# Allegro board 6089-103-RevB_76.brd (continued)
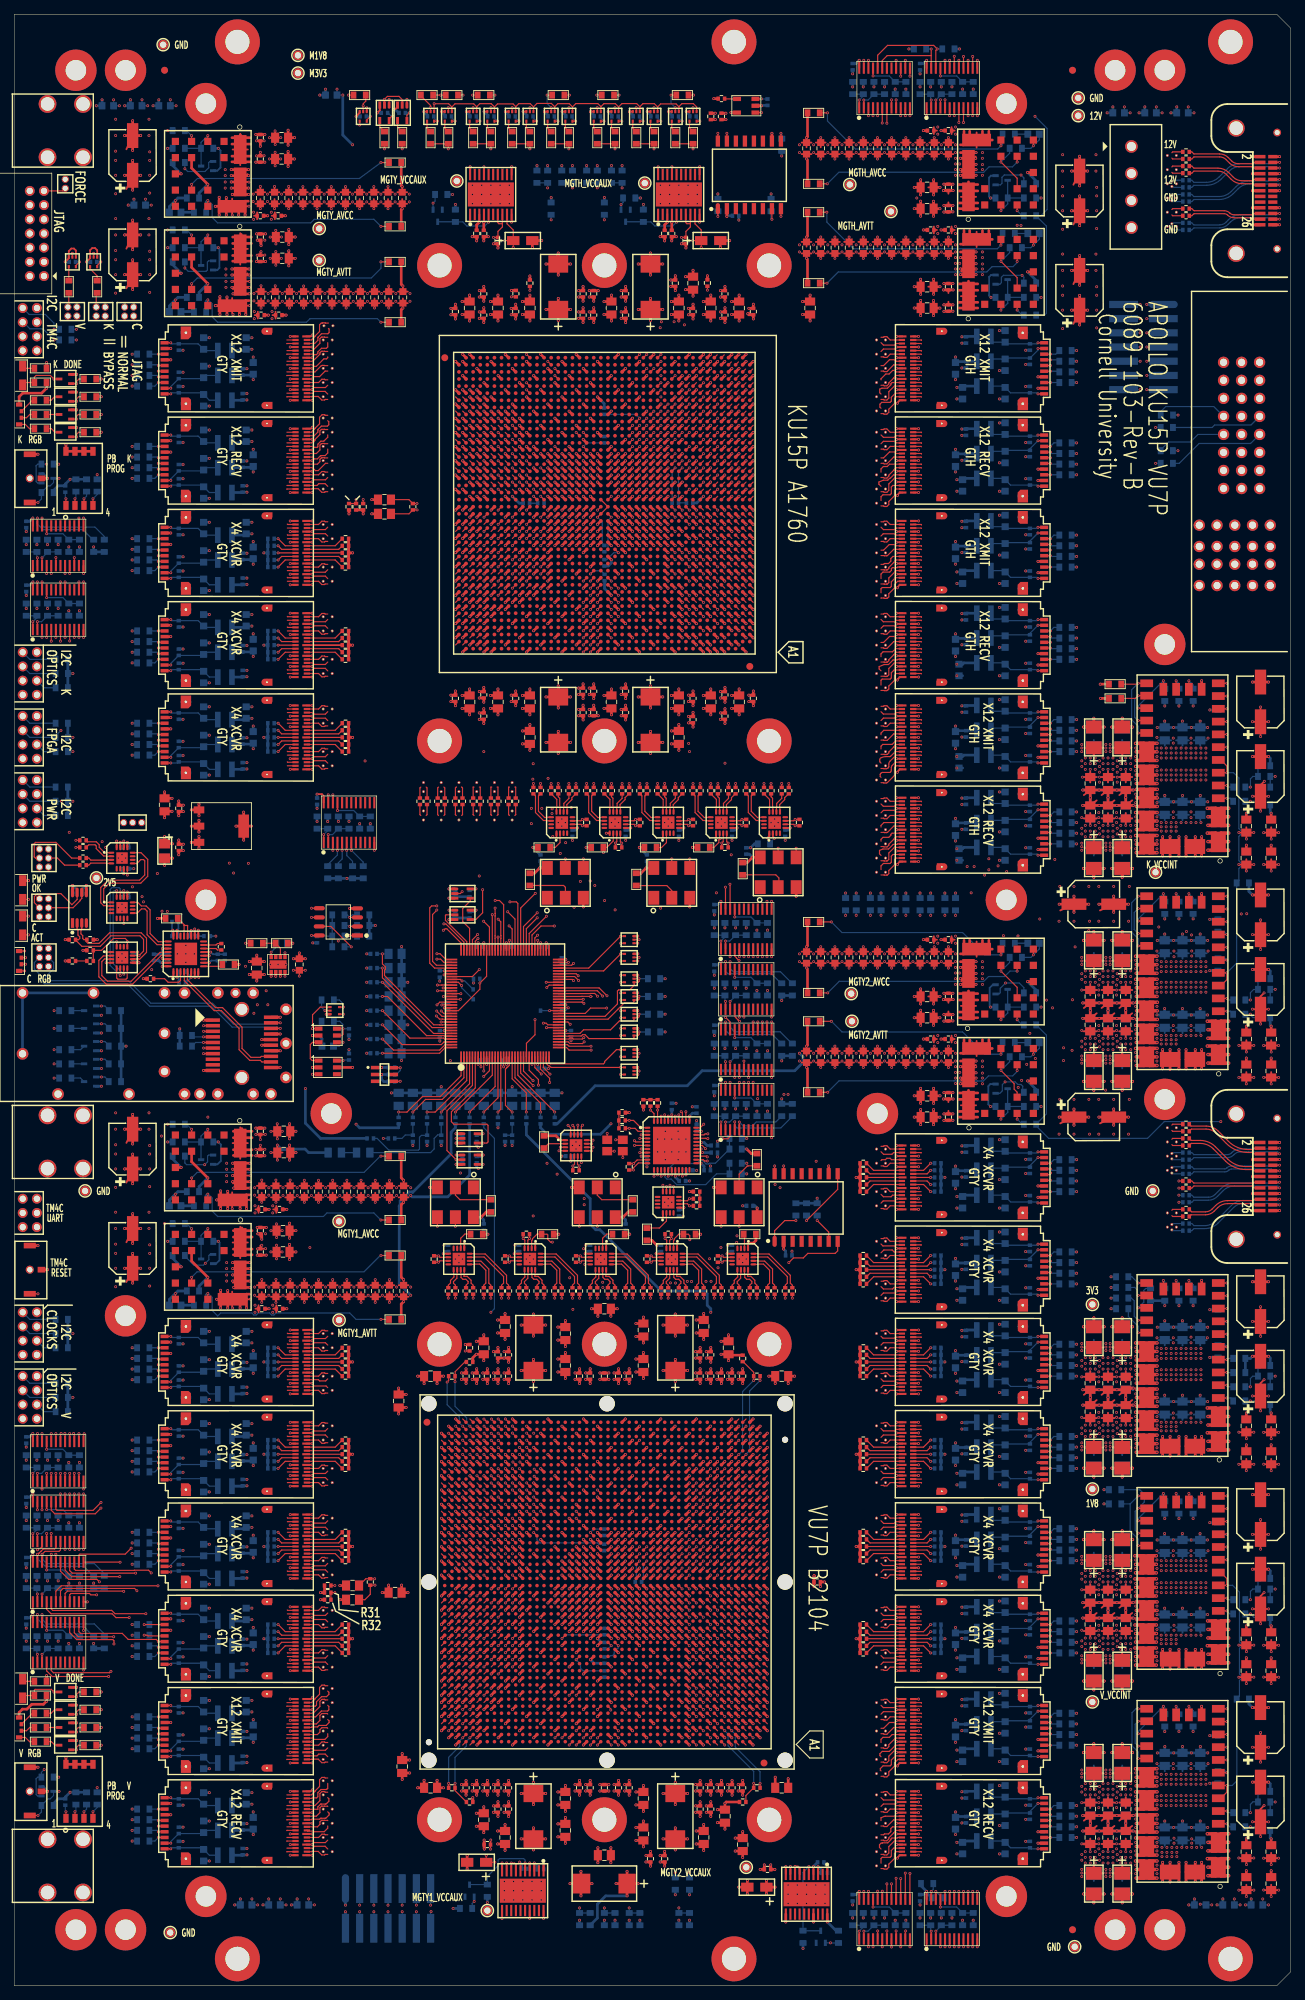
[diagram p0: board, top side]
## Placement (name value [footprint] x y rotation side) (continued)
R13  1K  [RESC_EIA0402]  8.2 144.4 180 top
R14  4.7K  [RESC_EIA0603]  10.7 226.4 180 top
R15  4.7K  [RESC_EIA0603]  10.7 223.9 180 top
R16  4.7K  [RESC_EIA0603]  10.7 221.4 180 top
R17  4.7K  [RESC_EIA0603]  10.7 218.9 180 top
R18  49.9  [RESC_EIA0402]  10.7 147.4 180 top
R19  1K  [RESC_EIA0402]  10.7 145.9 180 top
R20  1K  [RESC_EIA0402]  10.7 144.4 180 top
R21  4.7K  [RESC_EIA0603]  10.7 41.4 180 top
R22  4.7K  [RESC_EIA0603]  10.7 38.9 180 top
R23  4.7K  [RESC_EIA0603]  10.7 36.4 180 top
R24  4.7K  [RESC_EIA0603]  10.7 33.9 180 top
R25  33  [RESC_EIA0603]  11.7 239.4 270 top
R26  10K  [RESC_EIA0603]  22.2 150.4 180 top
R27  10  [RESC_EIA0603]  30.2 143.9 0 top
R28  110K  [RESC_EIA0603]  34.2 146.9 0 top
R29  34.8K  [RESC_EIA0603]  37.7 146.9 0 top
R30  1K  [RESC_EIA0402]  44.2 56.4 0 top
R31  1K  [RESC_EIA0402]  44.2 55.4 0 top
R32  DNi  [RESC_EIA0402]  44.2 54.4 180 top
R33  49p9  [RESC_EIA0402]  46.7 203.9 180 top
R34  49p9  [RESC_EIA0402]  46.7 202.9 180 top
R35  49p9  [RESC_EIA0402]  46.7 201.9 180 top
R36  49p9  [RESC_EIA0402]  46.7 200.9 180 top
R37  49p9  [RESC_EIA0402]  46.7 199.9 180 top
R38  49p9  [RESC_EIA0402]  46.7 190.9 180 top
R39  49p9  [RESC_EIA0402]  46.7 189.9 180 top
R40  49p9  [RESC_EIA0402]  46.7 188.9 180 top
R41  49p9  [RESC_EIA0402]  46.7 187.9 180 top
R42  49p9  [RESC_EIA0402]  46.7 186.9 180 top
R43  49p9  [RESC_EIA0402]  46.7 177.9 180 top
R44  49p9  [RESC_EIA0402]  46.7 176.9 180 top
R45  49p9  [RESC_EIA0402]  46.7 175.9 180 top
R46  49p9  [RESC_EIA0402]  46.7 174.9 180 top
R47  49p9  [RESC_EIA0402]  46.7 173.9 180 top
R48  49p9  [RESC_EIA0402]  46.7 89.9 180 top
R49  49p9  [RESC_EIA0402]  46.7 88.9 180 top
R50  49p9  [RESC_EIA0402]  46.7 87.9 180 top
R51  49p9  [RESC_EIA0402]  46.7 86.9 180 top
R52  49p9  [RESC_EIA0402]  46.7 85.9 180 top
R53  49p9  [RESC_EIA0402]  46.7 76.9 180 top
R54  49p9  [RESC_EIA0402]  46.7 75.9 180 top
R55  49p9  [RESC_EIA0402]  46.7 74.9 180 top
R56  49p9  [RESC_EIA0402]  46.7 73.9 180 top
R57  49p9  [RESC_EIA0402]  46.7 72.9 180 top
R58  49p9  [RESC_EIA0402]  46.7 63.9 180 top
R59  49p9  [RESC_EIA0402]  46.7 62.9 180 top
R60  49p9  [RESC_EIA0402]  46.7 61.9 180 top
R61  49p9  [RESC_EIA0402]  46.7 60.9 180 top
R62  49p9  [RESC_EIA0402]  46.7 59.9 180 top
R63  49p9  [RESC_EIA0402]  46.7 50.9 180 top
R64  49p9  [RESC_EIA0402]  46.7 49.9 180 top
R65  49p9  [RESC_EIA0402]  46.7 48.9 180 top
R66  49p9  [RESC_EIA0402]  46.7 47.9 180 top
R67  49p9  [RESC_EIA0402]  46.7 46.9 180 top
R68  DNi  [RESC_EIA0402]  47.2 208.4 270 top
R69  1K  [RESC_EIA0402]  48.2 208.4 90 top
R70  10K  [RESC_EIA0603]  48.7 266.4 0 top
R71  1K  [RESC_EIA0402]  49.2 208.4 90 top
R72  33  [RESC_EIA0603]  52.2 260.4 270 top
R73  0  [RESC_EIA0603]  53.7 256.9 0 top
R74  0  [RESC_EIA0603]  53.7 247.9 0 top
R75  0  [RESC_EIA0603]  53.7 242.9 0 top
R76  0  [RESC_EIA0603]  53.7 234.4 0 top
R77  0  [RESC_EIA0603]  53.7 116.9 0 top
R78  0  [RESC_EIA0603]  53.7 107.9 0 top
R79  0  [RESC_EIA0603]  53.7 102.9 0 top
R80  0  [RESC_EIA0603]  53.7 93.9 0 top
R81  33  [RESC_EIA0603]  54.7 260.4 270 top
R82  10K  [RESC_EIA0603]  58.2 266.4 180 top
R83  33  [RESC_EIA0603]  58.7 260.4 270 top
R84  100  [RESC_EIA0402]  59.2 102.4 90 top
R85  33  [RESC_EIA0603]  61.2 260.4 270 top
R86  10K  [RESC_EIA0603]  61.7 266.4 0 top
R87  100  [RESC_EIA0402]  61.7 85.9 180 top
R88  100  [RESC_EIA0402]  61.7 27.9 180 top
R89  240  [RESC_EIA0402]  64.2 89.9 270 top
R90  0  [RESC_EIA0402]  64.2 87.9 0 top
R91  0  [RESC_EIA0402]  64.2 25.9 0 top
R92  33  [RESC_EIA0603]  64.7 260.4 270 top
R93  4.7K  [RESC_EIA0603]  65.2 105.9 180 top
R94  10K  [RESC_EIA0603]  66.2 266.4 0 top
R95  33  [RESC_EIA0603]  67.2 260.4 270 top
R96  4.7K  [RESC_EIA0603]  67.2 109.9 270 top
R97  100  [RESC_EIA0402]  69.2 102.4 270 top
R98  33  [RESC_EIA0603]  70.2 260.4 270 top
R99  240  [RESC_EIA0402]  70.73 238.43 270 top
R100  100  [RESC_EIA0402]  72.2 105.9 180 top
R101  33  [RESC_EIA0603]  72.7 260.4 270 top
R102  1K  [RESC_EIA0402]  72.7 239.9 270 top
R103  4.7K  [RESC_EIA0603]  72.7 155.9 90 top
R104  4.7K  [RESC_EIA0603]  74.7 160.4 0 top
R105  4.7K  [RESC_EIA0603]  74.7 118.9 90 top
R106  4.7K  [RESC_EIA0603]  75.2 105.9 0 top
R107  33  [RESC_EIA0603]  75.7 260.4 270 top
R108  10K  [RESC_EIA0603]  76.7 266.4 180 top
R109  33  [RESC_EIA0603]  78.2 260.4 270 top
R110  100  [RESC_EIA0402]  79.2 114.9 180 top
R111  100  [RESC_EIA0402]  79.2 102.4 90 top
R112  100  [RESC_EIA0402]  80.7 163.9 270 top
R113  33  [RESC_EIA0603]  82.2 260.4 270 top
R114  4.7K  [RESC_EIA0603]  82.2 160.4 180 top
R115  10K  [RESC_EIA0603]  83.7 266.4 0 top
R116  33  [RESC_EIA0603]  84.7 260.4 270 top
R117  100  [RESC_EIA0402]  85.2 160.4 0 top
R118  4.7K  [RESC_EIA0603]  85.2 105.9 180 top
R119  49.9  [RESC_EIA0402]  85.69 121.93 180.4 top
R120  49.9  [RESC_EIA0402]  85.7 120.82 0 top
R121  100  [RESC_EIA0402]  86.7 115.4 90 top
R122  4.7K  [RESC_EIA0603]  87.2 109.9 270 top
R123  33  [RESC_EIA0603]  87.7 260.4 270 top
R124  4.7K  [RESC_EIA0603]  87.7 155.9 90 top
R125  100  [RESC_EIA0402]  88.2 163.9 90 top
R126  4.7K  [RESC_EIA0603]  89.2 105.9 270 top
R127  100  [RESC_EIA0402]  89.2 102.4 270 top
R128  4.7K  [RESC_EIA0603]  89.7 160.4 0 top
R129  49.9  [RESC_EIA0402]  89.7 124.4 270 top
R130  33  [RESC_EIA0603]  90.2 260.4 270 top
R131  49.9  [RESC_EIA0402]  90.7 124.4 90 top
R132  100  [RESC_EIA0402]  92.2 105.9 180 top
R133  33  [RESC_EIA0603]  93.2 260.4 270 top
R134  10K  [RESC_EIA0603]  94.2 266.4 180 top
R135  4.7K  [RESC_EIA0603]  95.2 105.9 0 top
R136  33  [RESC_EIA0603]  95.7 260.4 270 top
R137  100  [RESC_EIA0402]  95.7 163.9 270 top
R138  49.9  [RESC_EIA0402]  96.2 110.9 180 top
R139  49.9  [RESC_EIA0402]  96.2 109.9 0 top
R140  4.7K  [RESC_EIA0603]  97.2 160.4 180 top
R141  240  [RESC_EIA0402]  97.73 239.93 270 top
R142  100  [RESC_EIA0402]  99.2 102.4 90 top
R143  100  [RESC_EIA0402]  100.2 160.4 0 top
R144  4.7K  [RESC_EIA0603]  102.7 157.4 90 top
R145  0  [RESC_EIA0402]  102.7 88.4 90 top
R146  0  [RESC_EIA0402]  102.7 25.9 180 top
R147  100  [RESC_EIA0402]  103.2 163.9 90 top
R148  4.7K  [RESC_EIA0603]  103.7 105.9 180 top
R149  4.7K  [RESC_EIA0603]  104.7 116.4 90 top
R150  100  [RESC_EIA0402]  104.7 85.9 0 top
R151  100  [RESC_EIA0402]  104.7 27.9 0 top
R152  100  [RESC_EIA0402]  110.7 163.9 270 top
R153  0  [RESC_EIA0603]  112.7 263.9 180 top
R154  0  [RESC_EIA0603]  112.7 253.9 180 top
R155  0  [RESC_EIA0603]  112.7 249.9 180 top
R156  0  [RESC_EIA0603]  112.7 239.9 180 top
R157  0  [RESC_EIA0603]  112.7 149.9 180 top
R158  0  [RESC_EIA0603]  112.7 139.9 180 top
R159  0  [RESC_EIA0603]  112.7 135.9 180 top
R160  0  [RESC_EIA0603]  112.7 125.9 180 top
R161  49p9  [RESC_EIA0402]  119.7 115.9 0 top
R162  49p9  [RESC_EIA0402]  119.7 114.9 0 top
R163  49p9  [RESC_EIA0402]  119.7 113.9 0 top
R164  49p9  [RESC_EIA0402]  119.7 112.9 0 top
R165  49p9  [RESC_EIA0402]  119.7 111.9 0 top
R166  49p9  [RESC_EIA0402]  119.7 102.9 0 top
R167  49p9  [RESC_EIA0402]  119.7 101.9 0 top
R168  49p9  [RESC_EIA0402]  119.7 100.9 0 top
R169  49p9  [RESC_EIA0402]  119.7 99.9 0 top
R170  49p9  [RESC_EIA0402]  119.7 98.9 0 top
R171  49p9  [RESC_EIA0402]  119.7 89.9 0 top
R172  49p9  [RESC_EIA0402]  119.7 88.9 0 top
R173  49p9  [RESC_EIA0402]  119.7 87.9 0 top
R174  49p9  [RESC_EIA0402]  119.7 86.9 0 top
R175  49p9  [RESC_EIA0402]  119.7 85.9 0 top
R176  49p9  [RESC_EIA0402]  119.7 76.9 0 top
R177  49p9  [RESC_EIA0402]  119.7 75.9 0 top
R178  49p9  [RESC_EIA0402]  119.7 74.9 0 top
R179  49p9  [RESC_EIA0402]  119.7 73.9 0 top
R180  49p9  [RESC_EIA0402]  119.7 72.9 0 top
R181  49p9  [RESC_EIA0402]  119.7 63.9 0 top
R182  49p9  [RESC_EIA0402]  119.7 62.9 0 top
R183  49p9  [RESC_EIA0402]  119.7 61.9 0 top
R184  49p9  [RESC_EIA0402]  119.7 60.9 0 top
R185  49p9  [RESC_EIA0402]  119.7 59.9 0 top
R186  49p9  [RESC_EIA0402]  119.7 50.9 0 top
R187  49p9  [RESC_EIA0402]  119.7 49.9 0 top
R188  49p9  [RESC_EIA0402]  119.7 48.9 0 top
R189  49p9  [RESC_EIA0402]  119.7 47.9 0 top
R190  49p9  [RESC_EIA0402]  119.7 46.9 0 top
R191  0  [RESC_EIA0603]  155.2 183.4 180 top
R192  0  [RESC_EIA0603]  155.2 181.4 180 top
R193  10K  [RESC_EIA0603]  176.2 171.9 0 bottom
R194  10K  [RESC_EIA0603]  176.2 170.4 180 bottom
R195  10K  [RESC_EIA0603]  176.2 168.9 180 bottom
R196  10K  [RESC_EIA0603]  176.2 166.4 0 bottom
R197  10K  [RESC_EIA0603]  176.2 141.9 0 bottom
R198  10K  [RESC_EIA0603]  176.2 140.4 180 bottom
R199  10K  [RESC_EIA0603]  176.2 138.9 180 bottom
R200  10K  [RESC_EIA0603]  176.2 136.4 0 bottom
R201  10K  [RESC_EIA0603]  176.2 87.4 0 bottom
R202  10K  [RESC_EIA0603]  176.2 85.9 180 bottom
R203  10K  [RESC_EIA0603]  176.2 84.4 180 bottom
R204  10K  [RESC_EIA0603]  176.2 81.9 0 bottom
R205  10K  [RESC_EIA0603]  176.2 57.4 0 bottom
R206  10K  [RESC_EIA0603]  176.2 55.9 180 bottom
R207  10K  [RESC_EIA0603]  176.2 54.4 180 bottom
R208  10K  [RESC_EIA0603]  176.2 51.9 0 bottom
R209  10K  [RESC_EIA0603]  176.2 27.4 0 bottom
R210  10K  [RESC_EIA0603]  176.2 25.9 180 bottom
R211  10K  [RESC_EIA0603]  176.2 24.4 180 bottom
R212  10K  [RESC_EIA0603]  176.2 21.9 0 bottom
R213  3.74K  [RESC_EIA0603]  173.2 155.4 0 bottom
R214  3.74K  [RESC_EIA0603]  173.2 40.4 0 bottom
R215  10K  [RESC_EIA0603]  172.7 168.9 0 bottom
R216  10K  [RESC_EIA0603]  172.7 166.9 0 bottom
R217  10K  [RESC_EIA0603]  172.7 138.9 0 bottom
R218  10K  [RESC_EIA0603]  172.7 136.9 0 bottom
R219  3.74K  [RESC_EIA0603]  172.7 88.4 0 bottom
R220  3.74K  [RESC_EIA0603]  172.7 86.4 0 bottom
R221  10K  [RESC_EIA0603]  172.7 84.4 0 bottom
R222  10K  [RESC_EIA0603]  172.7 82.4 0 bottom
R223  10K  [RESC_EIA0603]  172.7 54.4 0 bottom
R224  10K  [RESC_EIA0603]  172.7 52.4 0 bottom
R225  10K  [RESC_EIA0603]  172.7 24.4 0 bottom
R226  10K  [RESC_EIA0603]  172.7 22.4 0 bottom
R227  TBD  [RESC_EIA0603]  169.7 178.9 90 bottom
R228  TBD  [RESC_EIA0603]  169.7 149.4 90 bottom
R229  TBD  [RESC_EIA0603]  169.7 143.9 270 bottom
R230  TBD  [RESC_EIA0603]  169.7 94.4 90 bottom
R231  TBD  [RESC_EIA0603]  169.7 89.4 270 bottom
R232  TBD  [RESC_EIA0603]  169.7 64.4 90 bottom
R233  TBD  [RESC_EIA0603]  169.7 34.4 90 bottom
R234  TBD  [RESC_EIA0603]  169.7 29.4 270 bottom
R235  TBD  [RESC_EIA0603]  166.2 181.9 270.4 bottom
R236  TBD  [RESC_EIA0603]  166.2 151.9 270 bottom
R237  TBD  [RESC_EIA0603]  166.2 97.4 270 bottom
R238  TBD  [RESC_EIA0603]  166.2 67.4 270 bottom
R239  TBD  [RESC_EIA0603]  166.2 37.4 270 bottom
R240  TBD  [RESC_EIA0603]  164.2 181.9 270 bottom
R241  TBD  [RESC_EIA0603]  164.2 151.9 270 bottom
R242  TBD  [RESC_EIA0603]  164.2 97.4 270 bottom
R243  TBD  [RESC_EIA0603]  164.2 67.4 270 bottom
R244  TBD  [RESC_EIA0603]  164.2 37.4 270 bottom
R245  16.2K  [RESC_EIA0603]  162.2 181.9 270 bottom
R246  16.2K  [RESC_EIA0603]  162.2 151.9 270 bottom
R247  147K  [RESC_EIA0603]  162.2 97.4 270 bottom
R248  16.2K  [RESC_EIA0603]  162.2 67.4 270 bottom
R249  16.2K  [RESC_EIA0603]  162.2 37.4 270 bottom
R250  61.9K  [RESC_EIA0603]  160.2 97.4 270 bottom
R251  0  [RESC_EIA0603]  156.2 99.9 180 bottom
R252  0  [RESC_EIA0603]  156.2 98.4 180 bottom
R253  0  [RESC_EIA0603]  156.2 96.9 180 bottom
R254  0  [RESC_EIA0603]  156.2 95.4 180 bottom
R255  0  [RESC_EIA0603]  155.2 69.9 180 bottom
R256  0  [RESC_EIA0603]  155.2 67.9 180 bottom
R257  2.2K  [RESC_EIA0603]  148.2 230.4 0 bottom
R258  2.2K  [RESC_EIA0603]  148.2 228.9 0 bottom
R259  3.3K  [RESC_EIA0603]  148.2 227.4 0 bottom
R260  3.3K  [RESC_EIA0603]  148.2 225.9 0 bottom
R261  2.2K  [RESC_EIA0603]  148.2 217.4 0 bottom
R262  2.2K  [RESC_EIA0603]  148.2 215.9 0 bottom
R263  3.3K  [RESC_EIA0603]  148.2 214.4 0 bottom
R264  3.3K  [RESC_EIA0603]  148.2 212.9 0 bottom
R265  2.2K  [RESC_EIA0603]  148.2 204.4 0 bottom
R266  2.2K  [RESC_EIA0603]  148.2 202.9 0 bottom
R267  3.3K  [RESC_EIA0603]  148.2 201.4 0 bottom
R268  3.3K  [RESC_EIA0603]  148.2 199.9 0 bottom
R269  2.2K  [RESC_EIA0603]  148.2 191.4 0 bottom
R270  2.2K  [RESC_EIA0603]  148.2 189.9 0 bottom
R271  3.3K  [RESC_EIA0603]  148.2 188.4 0 bottom
R272  3.3K  [RESC_EIA0603]  148.2 186.9 0 bottom
R273  2.2K  [RESC_EIA0603]  148.2 178.4 0 bottom
R274  2.2K  [RESC_EIA0603]  148.2 176.9 0 bottom
R275  3.3K  [RESC_EIA0603]  148.2 175.4 0 bottom
R276  3.3K  [RESC_EIA0603]  148.2 173.9 0 bottom
R277  2.2K  [RESC_EIA0603]  148.2 165.4 0 bottom
R278  2.2K  [RESC_EIA0603]  148.2 163.9 0 bottom
R279  3.3K  [RESC_EIA0603]  148.2 162.4 0 bottom
R280  3.3K  [RESC_EIA0603]  148.2 160.9 0 bottom
R281  2.2K  [RESC_EIA0603]  148.2 116.4 0 bottom
R282  2.2K  [RESC_EIA0603]  148.2 114.9 0 bottom
R283  3.3K  [RESC_EIA0603]  148.2 113.4 0 bottom
R284  3.3K  [RESC_EIA0603]  148.2 111.9 0 bottom
R285  2.2K  [RESC_EIA0603]  148.2 103.4 0 bottom
R286  2.2K  [RESC_EIA0603]  148.2 101.9 0 bottom
R287  3.3K  [RESC_EIA0603]  148.2 100.4 0 bottom
R288  3.3K  [RESC_EIA0603]  148.2 98.9 0 bottom
R289  2.2K  [RESC_EIA0603]  148.2 90.4 0 bottom
R290  2.2K  [RESC_EIA0603]  148.2 88.9 0 bottom
R291  3.3K  [RESC_EIA0603]  148.2 87.4 0 bottom
R292  3.3K  [RESC_EIA0603]  148.2 85.9 0 bottom
R293  2.2K  [RESC_EIA0603]  148.2 77.4 0 bottom
R294  2.2K  [RESC_EIA0603]  148.2 75.9 0 bottom
R295  3.3K  [RESC_EIA0603]  148.2 74.4 0 bottom
R296  3.3K  [RESC_EIA0603]  148.2 72.9 0 bottom
R297  2.2K  [RESC_EIA0603]  148.2 64.4 0 bottom
R298  2.2K  [RESC_EIA0603]  148.2 62.9 0 bottom
R299  3.3K  [RESC_EIA0603]  148.2 61.4 0 bottom
R300  3.3K  [RESC_EIA0603]  148.2 59.9 0 bottom
R301  2.2K  [RESC_EIA0603]  148.2 51.4 0 bottom
R302  2.2K  [RESC_EIA0603]  148.2 49.9 0 bottom
R303  3.3K  [RESC_EIA0603]  148.2 48.4 0 bottom
R304  3.3K  [RESC_EIA0603]  148.2 46.9 0 bottom
R305  2.2K  [RESC_EIA0603]  148.2 38.4 0 bottom
R306  2.2K  [RESC_EIA0603]  148.2 36.9 0 bottom
R307  3.3K  [RESC_EIA0603]  148.2 35.4 0 bottom
R308  3.3K  [RESC_EIA0603]  148.2 33.9 0 bottom
R309  2.2K  [RESC_EIA0603]  148.2 25.4 0 bottom
R310  2.2K  [RESC_EIA0603]  148.2 23.9 0 bottom
R311  3.3K  [RESC_EIA0603]  148.2 22.4 0 bottom
R312  3.3K  [RESC_EIA0603]  148.2 20.9 0 bottom
R313  4.7K  [RESC_EIA0603]  143.2 253.9 180 bottom
R314  10K  [RESC_EIA0603]  143.2 251.9 180 bottom
R315  10K  [RESC_EIA0603]  143.2 249.4 180 bottom
R316  4.7K  [RESC_EIA0603]  143.2 239.9 180 bottom
R317  10K  [RESC_EIA0603]  143.2 237.9 180 bottom
R318  10K  [RESC_EIA0603]  143.2 235.4 180 bottom
R319  4.7K  [RESC_EIA0603]  143.2 139.9 180 bottom
R320  10K  [RESC_EIA0603]  143.2 137.9 180 bottom
R321  10K  [RESC_EIA0603]  143.2 135.4 180 bottom
R322  4.7K  [RESC_EIA0603]  143.2 125.9 180 bottom
R323  10K  [RESC_EIA0603]  143.2 123.9 180 bottom
R324  10K  [RESC_EIA0603]  143.2 121.4 180 bottom
R325  40K  [RESC_EIA0603]  141.2 258.9 180 bottom
R326  20K  [RESC_EIA0603]  141.2 244.9 180 bottom
R327  40K  [RESC_EIA0603]  141.2 144.9 180 bottom
R328  20K  [RESC_EIA0603]  141.2 130.9 180 bottom
R329  300  [RESC_EIA0603]  140.2 260.9 0 bottom
R330  300  [RESC_EIA0603]  140.2 246.9 0 bottom
R331  300  [RESC_EIA0603]  140.2 146.9 0 bottom
R332  300  [RESC_EIA0603]  140.2 132.9 0 bottom
R333  3.74K  [RESC_EIA0603]  139.2 251.9 180 bottom
R334  3.74K  [RESC_EIA0603]  139.2 237.9 180 bottom
R335  3.74K  [RESC_EIA0603]  139.2 137.9 180 bottom
R336  3.74K  [RESC_EIA0603]  139.2 123.9 180 bottom
R337  DNP  [RESC_EIA0603]  135.2 267.4 90 bottom
R338  DNP  [RESC_EIA0603]  135.2 9.4 90 bottom
R339  10K  [RESC_EIA0603]  133.7 267.4 270 bottom
R340  10K  [RESC_EIA0603]  133.7 9.4 270 bottom
R341  2.2K  [RESC_EIA0603]  132.7 152.4 90 bottom
R342  DNP  [RESC_EIA0603]  132.2 267.4 270 bottom
R343  DNP  [RESC_EIA0603]  132.2 9.4 270 bottom
R344  2.2K  [RESC_EIA0603]  131.7 272.9 0 bottom
R345  2.2K  [RESC_EIA0603]  131.2 152.4 90 bottom
R346  10K  [RESC_EIA0603]  130.7 267.4 90 bottom
R347  10K  [RESC_EIA0603]  130.7 9.4 90 bottom
R348  49p9  [RESC_EIA0402]  130.2 115.9 180 bottom
R349  49p9  [RESC_EIA0402]  130.2 114.9 180 bottom
R350  49p9  [RESC_EIA0402]  130.2 113.9 180 bottom
R351  49p9  [RESC_EIA0402]  130.2 112.9 180 bottom
R352  49p9  [RESC_EIA0402]  130.2 111.9 180 bottom
R353  49p9  [RESC_EIA0402]  130.2 102.9 180 bottom
R354  49p9  [RESC_EIA0402]  130.2 101.9 180 bottom
R355  49p9  [RESC_EIA0402]  130.2 100.9 180 bottom
R356  49p9  [RESC_EIA0402]  130.2 99.9 180 bottom
R357  49p9  [RESC_EIA0402]  130.2 98.9 180 bottom
R358  49p9  [RESC_EIA0402]  130.2 89.9 180 bottom
R359  49p9  [RESC_EIA0402]  130.2 88.9 180 bottom
R360  49p9  [RESC_EIA0402]  130.2 87.9 180 bottom
R361  49p9  [RESC_EIA0402]  130.2 86.9 180 bottom
R362  49p9  [RESC_EIA0402]  130.2 85.9 180 bottom
R363  49p9  [RESC_EIA0402]  130.2 76.9 180 bottom
R364  49p9  [RESC_EIA0402]  130.2 75.9 180 bottom
R365  49p9  [RESC_EIA0402]  130.2 74.9 180 bottom
R366  49p9  [RESC_EIA0402]  130.2 73.9 180 bottom
R367  49p9  [RESC_EIA0402]  130.2 72.9 180 bottom
R368  49p9  [RESC_EIA0402]  130.2 63.9 180 bottom
R369  49p9  [RESC_EIA0402]  130.2 62.9 180 bottom
R370  49p9  [RESC_EIA0402]  130.2 61.9 180 bottom
R371  49p9  [RESC_EIA0402]  130.2 60.9 180 bottom
R372  49p9  [RESC_EIA0402]  130.2 59.9 180 bottom
R373  49p9  [RESC_EIA0402]  130.2 50.9 180 bottom
R374  49p9  [RESC_EIA0402]  130.2 49.9 180 bottom
R375  49p9  [RESC_EIA0402]  130.2 48.9 180 bottom
R376  49p9  [RESC_EIA0402]  130.2 47.9 180 bottom
R377  49p9  [RESC_EIA0402]  130.2 46.9 180 bottom
R378  2.2K  [RESC_EIA0603]  130.2 12.4 180 bottom
R379  DNP  [RESC_EIA0603]  129.2 267.4 270 bottom
R380  2.2K  [RESC_EIA0603]  129.2 152.4 90 bottom
R381  DNP  [RESC_EIA0603]  129.2 9.4 270 bottom
R382  2.2K  [RESC_EIA0603]  128.7 14.4 180 bottom
R383  2.2K  [RESC_EIA0603]  127.7 272.9 180 bottom
R384  10K  [RESC_EIA0603]  127.7 267.4 90 bottom
R385  2.2K  [RESC_EIA0603]  127.7 152.4 90 bottom
R386  10K  [RESC_EIA0603]  127.7 9.4 90 bottom
R387  DNP  [RESC_EIA0603]  125.7 267.4 90 bottom
R388  2.2K  [RESC_EIA0603]  125.7 152.4 90 bottom
R389  DNP  [RESC_EIA0603]  125.7 9.4 90 bottom
R390  10K  [RESC_EIA0603]  124.2 267.4 270 bottom
R391  2.2K  [RESC_EIA0603]  124.2 152.4 90 bottom
R392  10K  [RESC_EIA0603]  124.2 9.4 270 bottom
R393  DNP  [RESC_EIA0603]  122.7 267.4 270 bottom
R394  DNP  [RESC_EIA0603]  122.7 9.4 270 bottom
R395  2.2K  [RESC_EIA0603]  122.2 152.4 90 bottom
R396  10K  [RESC_EIA0603]  121.2 267.4 90 bottom
R397  10K  [RESC_EIA0603]  121.2 9.4 90 bottom
R398  2.2K  [RESC_EIA0603]  120.7 152.4 90 bottom
R399  DNP  [RESC_EIA0603]  119.7 267.4 270 bottom
R400  DNP  [RESC_EIA0603]  119.7 9.4 270 bottom
R401  2.2K  [RESC_EIA0603]  118.7 152.4 90 bottom
R402  10K  [RESC_EIA0603]  118.2 267.4 90 bottom
R403  10K  [RESC_EIA0603]  118.2 9.4 90 bottom
R404  2.2K  [RESC_EIA0603]  117.2 152.4 90 bottom
R405  4.7K  [RESC_EIA0603]  116.2 6.9 270 bottom
R406  2.2K  [RESC_EIA0603]  113.2 109.4 270 bottom
R407  4.7K  [RESC_EIA0603]  111.7 109.4 270 bottom
R408  10K  [RESC_EIA0603]  111.2 6.9 90 bottom
R409  4.7K  [RESC_EIA0603]  110.2 109.4 270 bottom
R410  2.2K  [RESC_EIA0603]  109.7 140.4 270 bottom
R411  2.2K  [RESC_EIA0603]  109.7 131.9 270 bottom
R412  2.2K  [RESC_EIA0603]  109.7 123.4 90 bottom
R413  4.7K  [RESC_EIA0603]  108.2 259.4 90 bottom
R414  2.2K  [RESC_EIA0603]  108.2 140.4 270 bottom
R415  2.2K  [RESC_EIA0603]  108.2 131.9 270 bottom
R416  2.2K  [RESC_EIA0603]  108.2 123.4 90 bottom
R417  2.2K  [RESC_EIA0603]  106.7 250.9 270 bottom
R418  DNP  [RESC_EIA0603]  106.2 148.9 90 bottom
R419  DNP  [RESC_EIA0603]  106.2 140.4 90 bottom
R420  DNP  [RESC_EIA0603]  106.2 131.9 90 bottom
R421  DNP  [RESC_EIA0603]  106.2 123.4 90 bottom
R422  4.7K  [RESC_EIA0603]  105.7 160.9 0 bottom
R423  10K  [RESC_EIA0603]  104.7 148.9 270 bottom
R424  10K  [RESC_EIA0603]  104.7 140.4 270 bottom
R425  10K  [RESC_EIA0603]  104.7 131.9 270 bottom
R426  10K  [RESC_EIA0603]  104.7 123.4 270 bottom
R427  DNP  [RESC_EIA0603]  103.2 148.9 270 bottom
R428  DNP  [RESC_EIA0603]  103.2 140.4 270 bottom
R429  DNP  [RESC_EIA0603]  103.2 131.9 270 bottom
R430  DNP  [RESC_EIA0603]  103.2 123.4 270 bottom
R431  10K  [RESC_EIA0603]  101.7 148.9 90 bottom
R432  10K  [RESC_EIA0603]  101.7 140.4 90 bottom
R433  10K  [RESC_EIA0603]  101.7 131.9 90 bottom
R434  10K  [RESC_EIA0603]  101.7 123.4 90 bottom
R435  DNP  [RESC_EIA0603]  101.7 119.4 180 bottom
R436  10K  [RESC_EIA0603]  101.7 117.9 0 bottom
R437  DNP  [RESC_EIA0603]  101.7 115.9 180 bottom
R438  10K  [RESC_EIA0603]  101.7 114.4 0 bottom
R439  DNP  [RESC_EIA0603]  100.2 148.9 270 bottom
R440  DNP  [RESC_EIA0603]  100.2 140.4 270 bottom
R441  DNP  [RESC_EIA0603]  100.2 131.9 270 bottom
R442  DNP  [RESC_EIA0603]  100.2 123.4 270 bottom
R443  4.7K  [RESC_EIA0603]  99.2 250.9 270 bottom
R444  10K  [RESC_EIA0603]  98.7 148.9 90 bottom
R445  10K  [RESC_EIA0603]  98.7 140.4 90 bottom
R446  10K  [RESC_EIA0603]  98.7 131.9 90 bottom
R447  10K  [RESC_EIA0603]  98.7 123.4 90 bottom
R448  0  [RESC_EIA0402]  95.22 208.94 0 bottom
R449  0  [RESC_EIA0603]  95.2 14.4 90 bottom
R450  0  [RESC_EIA0603]  95.2 9.4 90 bottom
R451  DNP  [RESC_EIA0603]  93.7 9.4 90 bottom
R452  100  [RESC_EIA0402]  93.2 208.95 180 bottom
R453  4.7K  [RESC_EIA0603]  93.2 14.4 90 bottom
R454  4.7K  [RESC_EIA0603]  90.2 141.9 180 bottom
R455  4.7K  [RESC_EIA0603]  90.2 139.4 180 bottom
R456  4.7K  [RESC_EIA0603]  90.2 136.9 180 bottom
R457  4.7K  [RESC_EIA0603]  90.2 134.4 180 bottom
R458  10K  [RESC_EIA0603]  88.7 249.4 270 bottom
R459  DNP  [RESC_EIA0603]  88.2 9.4 90 bottom
R460  4.7K  [RESC_EIA0603]  86.7 251.9 180 bottom
R461  0  [RESC_EIA0603]  86.7 9.4 90 bottom
R462  0  [RESC_EIA0603]  85.7 254.9 270 bottom
R463  DNP  [RESC_EIA0603]  84.7 9.4 90 bottom
R464  DNP  [RESC_EIA0603]  84.2 254.9 270 bottom
R465  240  [RESC_EIA0402]  83.23 198.43 90 bottom
R466  240  [RESC_EIA0402]  83.23 47.93 270 bottom
R467  240  [RESC_EIA0402]  83.23 43.93 90 bottom
R468  1K  [RESC_EIA0402]  83.22 45.89 90 bottom
R469  1K  [RESC_EIA0402]  83.21 217.84 270 bottom
R470  1K  [RESC_EIA0402]  83.2 200.5 90 bottom
R471  1K  [RESC_EIA0402]  83.21 49.9 270 bottom
R472  0  [RESC_EIA0603]  83.2 250.4 270 bottom
R473  1K  [RESC_EIA0402]  83.2 63.9 90 bottom
R474  0  [RESC_EIA0603]  83.2 9.4 90 bottom
R475  1K  [RESC_EIA0402]  83.17 61.77 90 bottom
R476  1K  [RESC_EIA0402]  83.17 221.87 270 bottom
R477  DNP  [RESC_EIA0603]  82.2 254.9 270 bottom
R478  DNP  [RESC_EIA0603]  81.2 9.4 90 bottom
R479  0  [RESC_EIA0603]  80.7 254.9 270 bottom
R480  0  [RESC_EIA0603]  79.7 9.4 90 bottom
R481  0  [RESC_EIA0603]  78.7 254.9 270 bottom
R482  DNP  [RESC_EIA0603]  77.2 254.9 270 bottom
R483  100  [RESC_EIA0402]  76.2 121.9 90 bottom
R484  4.7K  [RESC_EIA0603]  75.7 250.4 270 bottom
R485  0  [RESC_EIA0603]  75.2 254.9 270 bottom
R486  100  [RESC_EIA0402]  74.25 208.9 0 bottom
R487  100  [RESC_EIA0402]  74.2 121.9 90 bottom
R488  DNP  [RESC_EIA0603]  73.7 254.9 270 bottom
R489  0  [RESC_EIA0402]  72.2 208.9 180 bottom
R490  100  [RESC_EIA0402]  72.2 121.9 90 bottom
R491  100  [RESC_EIA0402]  70.2 121.9 90 bottom
R492  100  [RESC_EIA0402]  70.2 119.4 90 bottom
R493  100  [RESC_EIA0402]  69.2 119.4 270 bottom
R494  100  [RESC_EIA0402]  68.2 121.9 90 bottom
R495  10K  [RESC_EIA0603]  66.7 13.4 90 bottom
R496  100  [RESC_EIA0402]  66.2 121.9 90 bottom
R497  100  [RESC_EIA0402]  64.2 121.9 90 bottom
R498  4.7K  [RESC_EIA0603]  63.7 10.9 0 bottom
R499  10K  [RESC_EIA0603]  62.2 249.4 270 bottom
R500  100  [RESC_EIA0402]  62.2 121.9 90 bottom
R501  4.7K  [RESC_EIA0603]  60.2 252.4 180 bottom
R502  100  [RESC_EIA0402]  60.2 121.9 90 bottom
R503  100  [RESC_EIA0402]  60.2 119.4 270 bottom
R504  100  [RESC_EIA0402]  58.2 121.9 90 bottom
R505  100  [RESC_EIA0402]  58.2 119.4 270 bottom
R506  100  [RESC_EIA0402]  56.2 121.9 90 bottom
R507  100  [RESC_EIA0402]  56.2 119.4 270 bottom
R508  100  [RESC_EIA0402]  54.2 121.9 90 bottom
R509  100  [RESC_EIA0402]  53.2 119.4 0 bottom
R510  100  [RESC_EIA0402]  50.7 145.4 0 bottom
R511  100  [RESC_EIA0402]  50.7 143.4 0 bottom
R512  100  [RESC_EIA0402]  50.7 141.4 0 bottom
R513  100  [RESC_EIA0402]  50.7 139.4 0 bottom
R514  100  [RESC_EIA0402]  50.7 137.4 0 bottom
R515  100  [RESC_EIA0402]  50.7 135.4 0 bottom
R516  100  [RESC_EIA0402]  50.7 133.4 0 bottom
R517  100  [RESC_EIA0402]  50.7 131.4 0 bottom
R518  DNP  [RESC_EIA0603]  50.2 163.9 90 bottom
R519  100  [RESC_EIA0402]  50.2 119.4 0 bottom
R520  10K  [RESC_EIA0603]  49.2 156.9 270 bottom
R521  DNP  [RESC_EIA0603]  49.2 150.9 180 bottom
R522  DNP  [RESC_EIA0603]  49.2 149.4 180 bottom
R523  DNP  [RESC_EIA0603]  49.2 147.9 180 bottom
R524  249  [RESC_EIA0805]  49.2 117.4 0 bottom
R525  10K  [RESC_EIA0603]  48.7 163.9 270 bottom
R526  10K  [RESC_EIA0603]  47.7 156.9 270 bottom
R527  DNP  [RESC_EIA0603]  47.2 163.9 270 bottom
R528  10K  [RESC_EIA0603]  45.7 163.9 90 bottom
R529  10K  [RESC_EIA0603]  45.7 156.9 270 bottom
R530  10K  [RESC_EIA0603]  45.7 150.9 180 bottom
R531  10K  [RESC_EIA0603]  45.7 149.4 180 bottom
R532  10K  [RESC_EIA0603]  45.7 147.9 180 bottom
R533  10K  [RESC_EIA0603]  45.7 146.4 0 bottom
R534  249  [RESC_EIA0805]  45.2 117.4 0 bottom
R535  DNP  [RESC_EIA0603]  44.2 163.9 270 bottom
R536  10K  [RESC_EIA0603]  44.2 156.9 270 bottom
R537  10K  [RESC_EIA0603]  44.2 138.9 0 bottom
